# Altium PCB DM4K.pcbdoc (part 1 of 4) (continued)
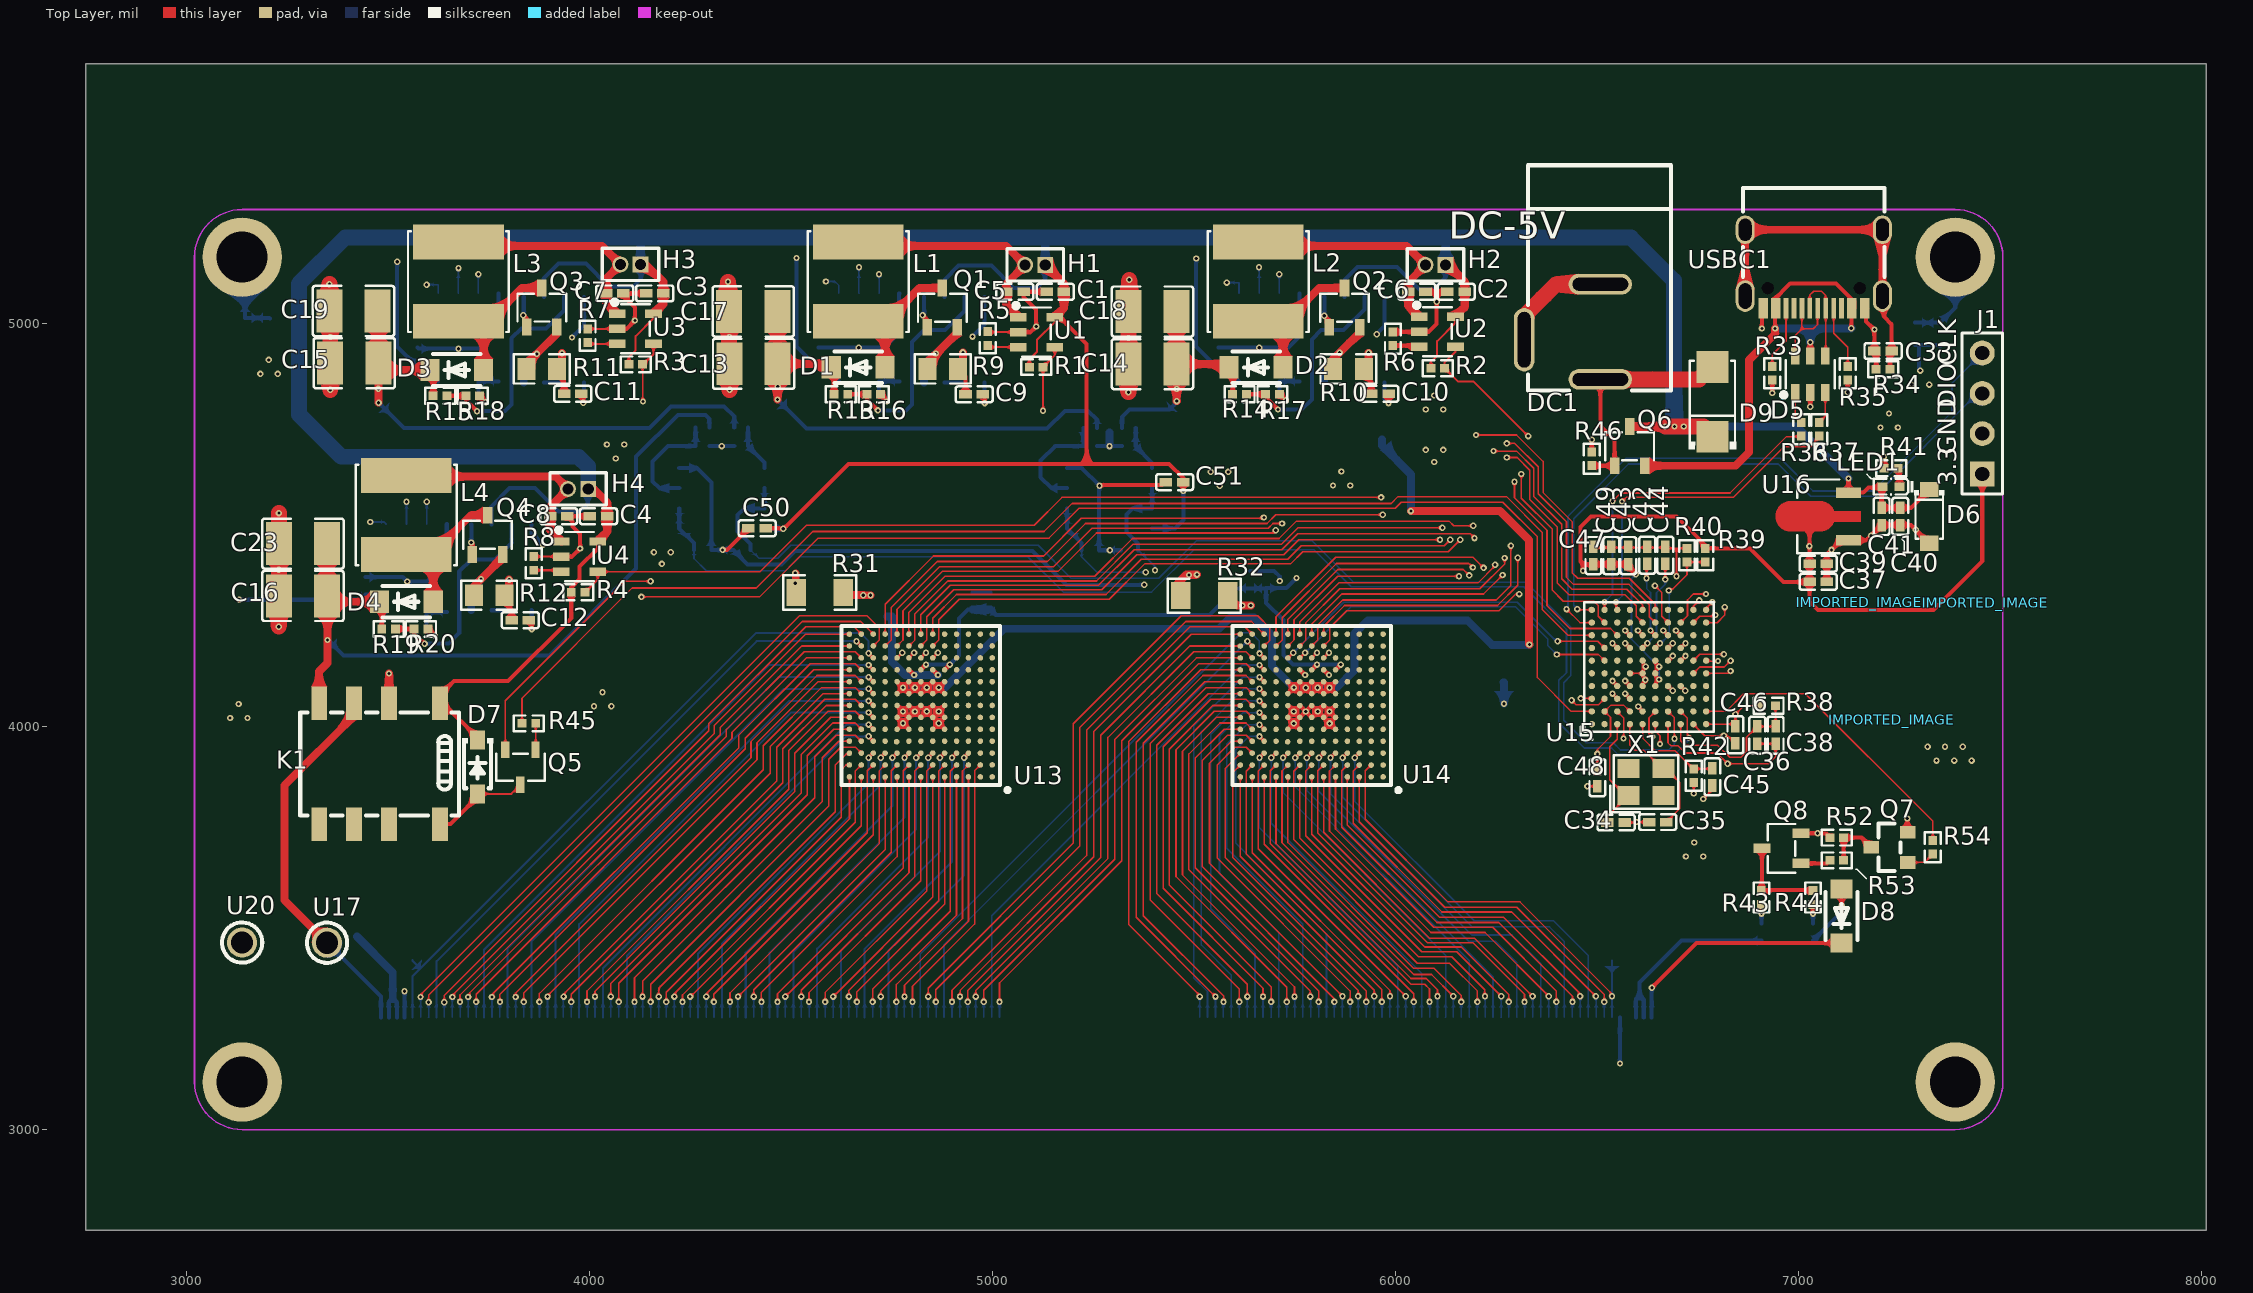
[diagram p0: Top Layer view]
## Footprints (in the part's own frame and the unit in brackets; to place one, negate y for a bottom-side part, rotate by r counter-clockwise, add the part's x,y. Pads: shape width x height; smd on the part's side, far side on the other; paste and mask are expansions set on the pad) (continued)
  rect 2.5x2 smd: 81(22.15,-2.875) 82(-22.15,-2.875)
  silkscreen extent -22.85,-4.13 22.85,3.59
HDR-M-2.54_1X4 [mil]
  rect 62x62 hole 35: 1(-150,0)
  round 62 hole 35 copper offset 0.01,0: 2(-49.99,0.01) 3(50.01,0.01) 4(150.01,0.01)
  silkscreen extent -200,-50 200,50
IMPORTED_IMAGE [mil]
IND-SMD_L6.0-W6.0 [mm]
  rect 2.2x5.72 smd: 1(-2.5,0) 2(2.5,0)
  silkscreen extent -3.18,-3.18 3.18,3.18
LED0402-RD_ORANGE [mm]
  rect 0.636x0.54 smd paste-100 mask+0.051: 1(-0.538,0) 2(0.538,0)
  silkscreen extent -1.39,-0.54 1.09,0.54
LED0402-RD_YELLOW [mm]
  rect 0.636x0.54 smd paste-100 mask+0.051: 1(-0.538,0) 2(0.538,0)
  silkscreen extent -1.39,-0.54 1.09,0.54
R0402 [mm]
  rect 0.566x0.54 smd paste-100 mask+0.051: 1(-0.433,0) 2(0.433,0)
  silkscreen extent -0.94,-0.5 0.94,0.5
R0603 [mil]
  rect 31.75x34.02 smd paste-3937.01 mask+2: 1(-29.66,0) 2(29.66,0)
  silkscreen extent -55,-26 55,26
R0805 [mil]
  rect 44.59x54.21 smd paste-3937.01 mask+2: 1(-38.04,0) 2(38.04,0)
  silkscreen extent -69,-36 69,36
r0805 [mil]
  rect 44.61x54.21 smd paste+0 mask+4: 1(-39.38,-0.01) 2(39.38,-0.01)
  silkscreen extent -69,-40 69,40
R1206 [mil]
  rect 47.54x66.97 smd paste-3937.01 mask+2: 1(-58.22,0) 2(58.22,0)
  silkscreen extent -91,-42 91,42
RELAY-SMD_G6K-2F-X-XX [mm]
  rect 1x2.1 smd paste+0 mask+0.051: 1(-3.8,-3.81) 2(-0.6,-3.81) 3(1.6,-3.81) 4(3.8,-3.81) 5(3.8,3.81) 6(1.6,3.81) 7(-0.6,3.81) 8(-3.8,3.81)
  silkscreen extent -5.02,-3.24 5,3.27
SMA_L4.3-W2.6-LS5.2-RD [mm]
  rect 2x2 smd: 1(-2.2,0) 2(2.2,0)
  silkscreen extent -2.98,-1.5 2.6,1.5
SO-8_L4.9-W3.9-P1.27-LS5.9-BL [mil]
  oval 22.6x74.33 smd paste+0 mask+2: 1(-75,-106.26) 2(-25,-106.26) 3(25,-106.26) 4(75,-106.26) 5(75,106.26) 6(25,106.26) 7(-25,106.26) 8(-75,106.26)
  silkscreen extent -116,-106 98,79
SOD-123_L2.7-W1.6-LS3.7-RD-1 [mm]
  rect 1.2x0.95 smd paste+0 mask+0.051: 1(-1.7,0) 2(1.7,0)
  silkscreen extent -1.81,-0.98 1.35,0.98
SOD-123_L2.8-W1.8-LS3.7-FD [mm]
  rect 1.2x1.4 smd paste+0 mask+0.051: 1(-1.7,0) 2(1.7,0)
  silkscreen extent -1.5,-1 1.5,1
SOD-123_L2.8-W1.8-LS3.7-RD [mm]
  rect 0.95x1.15 smd: 1(-1.692,0) 2(1.692,0)
  silkscreen extent -1.63,-0.94 1.41,0.94
SOIC-8_L4.9-W3.9-P1.27-LS6.0-BL [mm]
  oval 0.588x2.045 smd paste+0 mask+0.051: 1(-1.905,-2.772) 2(-0.635,-2.772) 3(0.635,-2.772) 4(1.905,-2.772) 5(1.905,2.772) 6(0.635,2.772) 7(-0.635,2.772) 8(-1.905,2.772)
  silkscreen extent -2.8,-2.92 2.53,1.52
SOP-8_L4.9-W3.9-P1.27-LS6.0-BL [mm]
  oval 0.63x1.865 smd: 1(-1.905,-2.683) 2(-0.635,-2.683) 3(0.635,-2.683) 4(1.905,-2.683) 5(1.905,2.682) 6(0.635,2.682) 7(-0.635,2.682) 8(-1.905,2.682)
  silkscreen extent -2.82,-2.83 2.58,1.52
SOT-23-3_L2.9-W1.6-P1.90-LS2.8-BR#1 [mm]
  rect 1.07x0.6 smd paste+0 mask+0.051: 1(1.235,-0.95) 2(1.235,0.95) 3(-1.235,0)
  silkscreen extent -0.88,-1.54 0.88,1.54
SOT-23-3_L2.9-W1.6-P1.90-LS2.8-BR#2 [mm]
  rect 1.07x0.6 smd: 1(1.235,-0.95) 2(1.235,0.95) 3(-1.235,0)
  silkscreen extent -0.88,-1.54 0.88,1.54
SOT-23-3_L3.0-W1.7-P0.95-LS2.9-BR [mil]
  rect 40.85x20.95 smd paste+0 mask+2: 1(43.36,-37.4) 2(43.36,37.4) 3(-43.36,0)
  silkscreen extent -34,-60 34,60
SOT-23-5_L3.0-W1.5-P0.95-LS2.8-BL [mm]
  rect 0.532x1.045 smd paste+0 mask+0.051: 1(-0.95,-1.148) 2(0,-1.148) 3(0.95,-1.148) 4(0.95,1.148) 5(-0.95,1.148)
  silkscreen extent -1.82,-1.45 1.55,0.9
SOT-23-6_L2.9-W1.6-P0.95-LS2.8-BL [mil]
  rect 20.95x42.2 smd: 1(-37.4,-45.24) 2(0,-45.24) 3(37.4,-45.24) 4(37.4,45.24) 5(0,45.24) 6(-37.4,45.24)
  silkscreen extent -72,-57 61,35
SOT-23_L2.9-W1.3-P1.90-LS2.4-BR [mm]
  rect 1x0.8 smd paste+0 mask+0.051: 1(1.15,-0.95) 2(1.15,0.95) 3(-1.15,0)
  silkscreen extent -0.7,-1.5 0.7,1.5
SOT-89_L4.5-W2.5-P1.50-LS4.2-BR [mm]
  rect 1.575x0.672 smd: 1(1.356,-1.5) 3(1.356,1.5)
  Top Layer region: -2.283,0.959 -0.429,0.959 -0.385,0.958 -0.34,0.955 -0.296,0.949 -0.252,0.942 -0.208,0.933 -0.165,0.921 -0.123,0.908 -0.081,0.893 -0.04,0.875 0,0.856 0.04,0.835 0.078,0.812 0.115,0.788 0.151,0.761 0.185,0.733 0.219,0.704 0.251,0.673 0.281,0.64 0.31,0.606 0.337,0.571 0.362,0.534 0.386,0.497 0.408,0.458 0.428,0.418 0.447,0.339 2.144,0.339 2.144,-0.321 0.447,-0.321 0.428,-0.401 0.408,-0.44 0.386,-0.479 0.362,-0.517 0.337,-0.553 0.31,-0.588 0.281,-0.622 0.251,-0.655 0.219,-0.686 0.185,-0.716 0.151,-0.744 0.115,-0.77 0.078,-0.795 0.04,-0.818 0,-0.839 -0.04,-0.858 -0.081,-0.875 -0.123,-0.89 -0.165,-0.904 -0.208,-0.915 -0.252,-0.925 -0.296,-0.932 -0.34,-0.937 -0.385,-0.94 -0.429,-0.941 -2.283,-0.941 -2.328,-0.94 -2.372,-0.937 -2.416,-0.932 -2.46,-0.925 -2.504,-0.915 -2.547,-0.904 -2.589,-0.89 -2.631,-0.875 -2.672,-0.858 -2.713,-0.839 -2.752,-0.818 -2.79,-0.795 -2.827,-0.77 -2.863,-0.744 -2.898,-0.716 -2.931,-0.686 -2.963,-0.655 -2.993,-0.622 -3.022,-0.588 -3.049,-0.553 -3.075,-0.517 -3.098,-0.479 -3.12,-0.44 -3.141,-0.401 -3.159,-0.36 -3.175,-0.318 -3.189,-0.276 -3.202,-0.233 -3.212,-0.19 -3.22,-0.146 -3.227,-0.102 -3.231,-0.058 -3.233,-0.013 -3.233,0.031 -3.231,0.076 -3.227,0.12 -3.22,0.164 -3.212,0.208 -3.202,0.251 -3.189,0.294 -3.175,0.336 -3.159,0.377 -3.141,0.418 -3.12,0.458 -3.098,0.497 -3.075,0.534 -3.049,0.571 -3.022,0.606 -2.993,0.64 -2.963,0.673 -2.931,0.704 -2.898,0.733 -2.863,0.761 -2.827,0.788 -2.79,0.812 -2.752,0.835 -2.713,0.856 -2.672,0.875 -2.631,0.893 -2.589,0.908 -2.547,0.921 -2.504,0.933 -2.46,0.942 -2.416,0.949 -2.372,0.955 -2.328,0.958
  silkscreen extent -1.87,-2.33 0.78,2.33
TEST-TH_BD2.54-P1.39 [mm]
  round 1.9 hole 1.39 paste+0 mask+0.051: 1(0,0)
  silkscreen extent -1.27,-1.27 1.27,1.27
TFBGA-100_L8.0-W8.0-P0.80-R10-C10-TL-ST_DS [mm]
  round 0.4 smd paste+0 mask+0.04: A1(-3.6,3.6) A2(-2.8,3.6) A3(-2,3.6) A4(-1.2,3.6) A5(-0.4,3.6) A6(0.4,3.6) A7(1.2,3.6) A8(2,3.6) A9(2.8,3.6) A10(3.6,3.6) B1(-3.6,2.8) B2(-2.8,2.8) B3(-2,2.8) B4(-1.2,2.8) B5(-0.4,2.8) B6(0.4,2.8) B7(1.2,2.8) B8(2,2.8) B9(2.8,2.8) B10(3.6,2.8) C1(-3.6,2) C2(-2.8,2) C3(-2,2) C4(-1.2,2) C5(-0.4,2) C6(0.4,2) C7(1.2,2) C8(2,2) C9(2.8,2) C10(3.6,2) D1(-3.6,1.2) D2(-2.8,1.2) D3(-2,1.2) D4(-1.2,1.2) D5(-0.4,1.2) D6(0.4,1.2) D7(1.2,1.2) D8(2,1.2) D9(2.8,1.2) D10(3.6,1.2) E1(-3.6,0.4) E2(-2.8,0.4) E3(-2,0.4) E4(-1.2,0.4) E5(-0.4,0.4) E6(0.4,0.4) E7(1.2,0.4) E8(2,0.4) E9(2.8,0.4) E10(3.6,0.4) F1(-3.6,-0.4) F2(-2.8,-0.4) F3(-2,-0.4) F4(-1.2,-0.4) F5(-0.4,-0.4) F6(0.4,-0.4) F7(1.2,-0.4) F8(2,-0.4) F9(2.8,-0.4) F10(3.6,-0.4) G1(-3.6,-1.2) G2(-2.8,-1.2) G3(-2,-1.2) G4(-1.2,-1.2) G5(-0.4,-1.2) G6(0.4,-1.2) G7(1.2,-1.2) G8(2,-1.2) G9(2.8,-1.2) G10(3.6,-1.2) H1(-3.6,-2) H2(-2.8,-2) H3(-2,-2) H4(-1.2,-2) H5(-0.4,-2) H6(0.4,-2) H7(1.2,-2) H8(2,-2) H9(2.8,-2) H10(3.6,-2) J1(-3.6,-2.8) J2(-2.8,-2.8) J3(-2,-2.8) J4(-1.2,-2.8) J5(-0.4,-2.8) J6(0.4,-2.8) J7(1.2,-2.8) J8(2,-2.8) J9(2.8,-2.8) J10(3.6,-2.8) K1(-3.6,-3.6) K2(-2.8,-3.6) K3(-2,-3.6) K4(-1.2,-3.6) K5(-0.4,-3.6) K6(0.4,-3.6) K7(1.2,-3.6) K8(2,-3.6) K9(2.8,-3.6) K10(3.6,-3.6)
  silkscreen extent -4.63,-4.08 4.08,4.3
"TFBGA-196 10*10*1.1" [mm]
  round 0.35 smd paste+0 mask+0.102: A1(-4.5,4.5) A2(-3.75,4.5) A3(-3,4.5) A4(-2.25,4.5) A5(-1.5,4.5) A6(-0.75,4.5) A7(0,4.5) A8(0.75,4.5) A9(1.5,4.5) A10(2.25,4.5) A11(3,4.5) A12(3.75,4.5) A13(4.5,4.5) B1(-4.5,3.75) B2(-3.75,3.75) B3(-3,3.75) B4(-2.25,3.75) B5(-1.5,3.75) B6(-0.75,3.75) B7(0,3.75) B8(0.75,3.75) B9(1.5,3.75) B10(2.25,3.75) B11(3,3.75) B12(3.75,3.75) B13(4.5,3.75) C1(-4.5,3) C2(-3.75,3) C3(-3,3) C4(-2.25,3) C5(-1.5,3) C6(-0.75,3) C7(0,3) C8(0.75,3) C9(1.5,3) C10(2.25,3) C11(3,3) C12(3.75,3) C13(4.5,3) D1(-4.5,2.25) D2(-3.75,2.25) D3(-3,2.25) D4(-2.25,2.25) D5(-1.5,2.25) D6(-0.75,2.25) D7(0,2.25) D8(0.75,2.25) D9(1.524,2.286) D10(2.25,2.25) D11(3,2.25) D12(3.75,2.25) D13(4.5,2.25) E1(-4.5,1.5) E2(-3.75,1.5) E3(-3,1.5) E4(-2.25,1.5) E5(-1.5,1.5) E6(-0.75,1.5) E7(0,1.5) E8(0.75,1.5) E9(1.5,1.5) E10(2.25,1.5) E11(3,1.5) E12(3.75,1.5) E13(4.5,1.5) F1(-4.5,0.75) F2(-3.75,0.75) F3(-3,0.75) F4(-2.25,0.75) F5(-1.5,0.75) F6(-0.75,0.75) F7(0,0.75) F8(0.75,0.75) F9(1.5,0.75) F10(2.25,0.75) F11(3,0.75) F12(3.75,0.75) F13(4.5,0.75) G1(-4.5,0) G2(-3.75,0) G3(-3,0) G4(-2.25,0) G5(-1.5,0) G6(-0.75,0) G7(0,0) G8(0.75,0) G9(1.5,0) G10(2.25,0) G11(3,0) G12(3.75,0) G13(4.5,0) H1(-4.5,-0.75) H2(-3.75,-0.75) H3(-3,-0.75) H4(-2.25,-0.75) H5(-1.5,-0.75) H6(-0.75,-0.75) H7(0,-0.75) H8(0.75,-0.75) H9(1.5,-0.75) H10(2.25,-0.75) H11(3,-0.75) H12(3.75,-0.75) H13(4.5,-0.75) J1(-4.5,-1.5) J2(-3.75,-1.5) J3(-3,-1.5) J4(-2.25,-1.5) J5(-1.5,-1.5) J6(-0.75,-1.5) J7(0,-1.5) J8(0.75,-1.5) J9(1.5,-1.5) J10(2.25,-1.5) J11(3,-1.5) J12(3.75,-1.5) J13(4.5,-1.5) K1(-4.5,-2.25) K2(-3.75,-2.25) K3(-3,-2.25) K4(-2.25,-2.25) K5(-1.5,-2.25) K6(-0.75,-2.25) K7(0,-2.25) K8(0.75,-2.25) K9(1.5,-2.25) K10(2.25,-2.25) K11(3,-2.25) K12(3.75,-2.25) K13(4.5,-2.25) L1(-4.5,-3) L2(-3.75,-3) L3(-3,-3) L4(-2.25,-3) L5(-1.5,-3) L6(-0.75,-3) L7(0,-3) L8(0.75,-3) L9(1.5,-3) L10(2.25,-3) L11(3,-3) L12(3.75,-3) L13(4.5,-3) M1(-4.5,-3.75) M2(-3.75,-3.75) M3(-3,-3.75) M4(-2.25,-3.75) M5(-1.5,-3.75) M6(-0.75,-3.75) M7(0,-3.75) M8(0.75,-3.75) M9(1.5,-3.75) M10(2.25,-3.75) M11(3,-3.75) M12(3.75,-3.75) M13(4.5,-3.75) N1(-4.5,-4.5) N2(-3.75,-4.5) N3(-3,-4.5) N4(-2.25,-4.5) N5(-1.5,-4.5) N6(-0.75,-4.5) N7(0,-4.5) N8(0.75,-4.5) N9(1.5,-4.5) N10(2.25,-4.5) N11(3,-4.5) N12(3.75,-4.5) N13(4.5,-4.5)
  silkscreen extent -5.59,-5 5,5.46
USB-C_SMD-TYPE-C-31-M-12 [mm]
  oval 1.2x2 hole 0.8 slot 1.6 at 90 deg: 0(-4.325,1.706) 1(4.325,1.706)
  oval 1.2x1.8 hole 0.8 slot 1.4 at 90 deg: 2(4.325,-2.474) 3(-4.325,-2.474)
  rect 0.3x1.3 smd paste-100 mask+0.051: A1(-3.35,2.474) A4(-2.55,2.474) A5(-1.25,2.474) A6(-0.25,2.474) A7(0.25,2.474) A8(1.25,2.474) A9(2.55,2.474) A12(3.35,2.474) B1(3.05,2.474) B4(2.25,2.474) B5(1.75,2.474) B6(0.75,2.474) B7(-0.75,2.474) B8(-1.75,2.474) B9(-2.25,2.474) B12(-3.05,2.474)
  Multi-Layer board cut-out: -3.275,1.206 -3.238,1.043 -3.134,0.913 -2.983,0.84 -2.817,0.84 -2.666,0.913 -2.562,1.043 -2.525,1.206 -2.525,1.206 -2.562,1.368 -2.666,1.499 -2.817,1.571 -2.983,1.571 -3.134,1.499 -3.238,1.368 -3.275,1.206
  Multi-Layer board cut-out: 2.525,1.206 2.562,1.043 2.666,0.913 2.816,0.84 2.983,0.84 3.134,0.913 3.238,1.043 3.275,1.206 3.275,1.206 3.238,1.368 3.134,1.499 2.983,1.571 2.816,1.571 2.666,1.499 2.562,1.368 2.525,1.206
  silkscreen extent -4.47,-5.09 4.47,0.49
测试点 [mm]
  round 1.2 smd paste+0: 1(0,0)

## Free pads (board coordinates)
  round 196.85 hole 125.98: 83(3137.8,3118.11) 83(3137.8,5165.35) 83(7389.76,3118.11) 83(7389.76,5165.35)

## Via types
v1: diameter 15.75, hole 7.87, Top Layer to Bottom Layer, 258 vias
v2: diameter 15.75, hole 7.91, Top Layer to Bottom Layer, 165 vias

## Nets (pads, with @x,y where several pads share a name; then routed paths per layer and width w, separated by ;. In a path a pad name is that pad's centre, name@x,y a point inside that pad or via, vN(x,y) a via of type N, cw(c..) or ccw(c..) an arc to the next point about the centre after c; other vN are vias at no path point)
1CLK: U13.M8 U15.K5 | length 2688.4
  Top Layer w4.02: U13.M8@4792.8,4200.23 4807.6,4214.93 4807.6,4279.93 4889.3,4361.63 5258.32,4361.63 5349.82,4453.13 5718,4453.13 5758.4,4493.53 v1(6116.67,4493.5) ; U15.K5@6771.2,4132.28 6826.31,4132.28 v1(6832.22,4138.19)
  Inner1 w4.02: v1(6116.67,4493.5) 6163.9,4540.73 6735.7,4540.73 6905.1,4371.33 6905.1,4211.03 v1(6832.22,4138.19)
1D1A: U13.M10 U15.D4 | length 2214.7
  Top Layer w4.02: U13.M10@4733.8,4200.2 4748.61,4214.93 4748.61,4295.63 4862.8,4409.83 5136.52,4409.83 5231.02,4504.33 5681.71,4504.33 5703.37,4526 v1(5968.69,4526) ; v1(6570.41,4113.58) 6570.41,4112.61 U15.D4@6582.23,4100.79
  Inner1 w4.02: v1(5968.69,4526) 5974.38,4526 5991.69,4508.7 5991.69,4496 6345.55,4142.13 6541.9,4142.13 v1(6570.41,4113.58)
1D2A: U13.N10 U15.C4 | length 2153.9
  Top Layer w4.02: U13.N10@4733.8,4229.73 4733.8,4303.53 4853.9,4423.63 5127.32,4423.63 5220.82,4517.13 5671.8,4517.13 v1(5673.76,4519.09) ; v1(6538.91,4113.58) 6538.91,4112.61 U15.C4@6550.73,4100.79
  Inner1 w4.02: v1(5673.76,4519.09) 5950.34,4519.09 6340.1,4129.33 6523.16,4129.33 v1(6538.91,4113.58)
1D3A: U13.L9 U15.A3 | length 2037.6
  Top Layer w4.02: U13.L9@4763.32,4170.67 v1(4776.11,4183.46) ; v1(6460.17,4070.27) 6487.74,4070.27 U15.A3@6487.74,4069.29
  Inner1 w4.02: v1@4776.1,4183.43 5063.67,4471 5942.34,4471 6363.7,4049.63 6447.61,4049.63 6460.2,4062.23 v1@6460.2,4070.23
1D4A: U13.M9 U15.B3 | length 2103.1
  Top Layer w4.02: U13.M9@4763.32,4200.2 4778.1,4214.93 4778.1,4287.83 4875.5,4385.23 5162.92,4385.23 5258.42,4480.73 5696.4,4480.73 v1(5703.28,4487.6) ; v1(6437.53,4065.35) 6448.36,4054.53 6504.47,4054.53 U15.B3@6519.23,4069.29
  Inner1 w4.02: v1(5703.28,4487.6) 5944.4,4487.63 6366.7,4065.33 v1@6437.5,4065.33
1D5A: U13.N9 U15.C3 | length 2118.2
  Top Layer w4.02: U13.N9@4763.32,4229.73 4763.3,4291.73 4868.6,4397.03 5151.72,4397.03 5247.22,4492.53 5684.6,4492.53 5696.4,4504.33 v1(5719.03,4504.33) ; v1(6538.91,4082.09) 6538.91,4081.11 U15.C3@6550.73,4069.29
  Inner1 w4.02: v1(5719.03,4504.33) 5946.4,4504.33 6340.1,4110.63 6510.38,4110.63 v1(6538.91,4082.09)
1D6A: U13.L8 U15.D3 | length 2108
  Top Layer w4.02: U13.L8@4792.85,4170.67 v1(4805.65,4183.47) v1@4805.65,4184.45 ; v1(6570.41,4082.09) 6570.41,4081.11 U15.D3@6582.23,4069.29
  Inner1 w4.02: v1@4805.6,4183.43 4805.6,4185.53 5076.27,4456 5939.64,4456 6358.8,4036.83 6455.3,4036.83 6484.8,4066.33 6554.6,4066.33 v1(6570.41,4082.09)
1DIR: U13.M7 U15.J5 | length 2639.2
  Top Layer w4.02: U13.M7@4822.38,4200.2 4837.1,4214.93 4837.1,4273.03 4904.1,4339.93 5271.56,4339.93 5358.26,4426.53 5723,4426.53 5760.4,4463.93 v1@6110.8,4463.93 ; U15.J5@6739.7,4132.23 6755.51,4148.03 6816.48,4148.03 v1(6832.22,4163.78)
  Inner1 w4.02: v1(6110.76,4463.97) 6174.74,4527.95 6732.79,4527.95 6890.3,4370.44 6890.3,4221.85 v1(6832.22,4163.78)
1LE: U13.N8 U15.H6 | length 2587.9
  Top Layer w4.02: U13.N8@4792.8,4229.73 4792.8,4283.73 4882.5,4373.43 5254.12,4373.43 5347.69,4467 5711.27,4467 5754.5,4510.23 6133.06,4510.23 6144.88,4498.42 v1(6193.44,4498.42) ; U15.H6@6708.21,4163.78 v1(6720.01,4175.59)
  Inner1 w4.02: v1(6193.44,4498.42) 6203.28,4498.42 6206.19,4501.33 6729.9,4501.33 6862.7,4368.53 6862.7,4249.43 6788.9,4175.63 v1(6720.01,4175.59)
1OE: U13.M6 U15.H7 | length 2460.9
  Top Layer w4.02: U13.M6@4851.91,4200.2 4866.7,4214.93 4866.7,4265.13 4917.9,4316.33 5290.02,4316.33 5377.62,4403.93 5739.7,4403.93 5770.2,4434.43 6131.4,4434.43 v1@6161,4463.93 ; U15.H7@6708.21,4195.27 v1(6720.01,4207.09)
  Inner1 w4.02: v1@6161,4463.93 6180.6,4483.63 6731.8,4483.63 6848,4367.53 6848,4267.13 6788,4207.13 v1(6720.01,4207.09)
  other v1: 6160.96,4463.97
1OH: U13.N7 U15.G7 | length 2472.7
  Top Layer w4.02: U13.N7@4822.38,4229.73 4822.4,4277.93 4895.3,4350.83 5263.52,4350.83 5352.02,4439.33 5718.1,4439.33 5757.5,4478.73 6186.5,4478.73 v1(6196.39,4467.91) ; U15.G7@6676.71,4195.27 v1(6688.52,4207.09)
  Inner1 w4.02: v1(6196.39,4467.91) 6213.1,4467.93 6216,4470.83 6723,4470.83 6834.2,4359.63 6834.2,4271.03 6785,4221.83 6703.2,4221.83 v1(6688.52,4207.09)
1OL: U13.L6 U15.K6 | length 2452
  Top Layer w4.02: U13.L6@4851.91,4170.67 v1(4864.7,4183.46) ; U15.K6@6771.2,4163.78 6771.2,4162.79 v1(6800.72,4162.79)
  Inner2 w4.02: v1@4864.7,4183.43 5003.27,4322 5559.69,4322 5570.69,4333 5922.76,4333 6037,4447.23 6201.92,4447.23 6276.72,4522.03 6677.7,4522.03 6848.9,4350.83 6848.9,4247.43 6800.72,4199.25 v1(6800.72,4162.79)
1POL: U13.N6 U15.J6 | length 2523.8
  Top Layer w4.02: U13.N6@4851.91,4229.73 4851.9,4269.13 4910.9,4328.13 5281.82,4328.13 5369.42,4415.73 5732.8,4415.73 5766.3,4449.23 6121.6,4449.23 v1@6136.4,4463.93 ; U15.J6@6739.71,4163.78 6755.46,4179.53 v1(6815.49,4179.53)
  Inner1 w4.02: v1@6136.4,4463.93 6187.6,4515.13 6730.9,4515.13 6876.5,4369.53 6876.5,4240.53 v1(6815.49,4179.53)
  other v1: 6136.35,4463.97
1RST: U13.L7 U15.G6 | length 2521.9
  Top Layer w4.02: U13.L7@4822.38,4170.67 v1(4835.18,4183.46) ; U15.G6@6676.71,4163.78 v1(6688.52,4175.59)
  Inner2 w4.02: v1@4835.2,4183.43 4838.1,4183.43 4853.8,4167.73 4872.6,4167.73 5012.87,4308 5562.69,4308 5573.69,4319 5925.47,4319 6042.9,4436.43 6207.12,4436.43 6282.92,4512.23 6668.8,4512.23 6835.2,4345.83 6835.2,4257.33 6768.2,4190.33 6703.3,4190.33 v1(6688.52,4175.59)
2CLK: U14.M8 U15.J9 | length 1349.1
  Top Layer w4.02: U14.M8@5762.9,4200.03 5778.1,4215.23 5778.1,4258.33 5861.8,4341.93 6209.2,4341.93 6271.2,4403.93 v1(6271.2,4418.7) ; U15.J9@6739.7,4258.23 6755.51,4274.03 6790.89,4274.03 v1(6793.83,4276.97)
  Inner1 w4.02: v1(6271.2,4418.7) 6279.42,4418.73 6303.69,4443 6487.69,4443 6503.15,4427.53 6721,4427.53 6802.7,4345.83 6802.7,4285.83 v1@6793.8,4276.93
2D1A: U14.M10 U15.D8 | length 1069.1
  Top Layer w4.02: U14.M10@5703.9,4200.03 5719,4215.23 5719,4270.03 5853.9,4404.93 6182.6,4404.93 v1@6192.5,4395.03 ; v1(6570.41,4238.58) U15.D8@6582.23,4226.77
  Inner1 w4.02: v1@6192.5,4395.03 6337.1,4250.43 6558.6,4250.43 v1(6570.41,4238.58)
  other v1: 6192.46,4395.08
2D2A: U14.N10 U15.E8 | length 1094.5
  Top Layer w4.02: U14.N10@5703.9,4229.53 5703.9,4272.63 5851.9,4420.63 6192.5,4420.63 v1(6219.03,4394.09) ; v1(6601.9,4238.58) U15.E8@6613.72,4226.77
  Inner1 w4.02: v1(6219.03,4394.09) 6350.9,4262.23 6578.3,4262.23 v1(6601.9,4238.58)
2D3A: U14.L9 U15.B7 | length 890.2
  Top Layer w4.02: U14.L9@5733.41,4170.52 5746.36,4183.46 v1(5746.59,4183.46) ; v1(6402.69,4212) 6502.5,4212 U15.B7@6519.23,4195.27
  Bottom Layer w4.02: v1@5746.6,4183.43 5872.17,4309 6302.69,4309 6399.67,4212.02 v1(6402.69,4212)
2D4A: U14.M9 U15.C7 | length 992.2
  Top Layer w4.02: U14.M9@5733.4,4200.03 5748.6,4215.23 5748.6,4265.23 5856.8,4373.43 v1(6158.01,4373.42) ; v1(6538.91,4207.08) U15.C7@6550.73,4195.27
  Inner1 w4.02: v1(6158.01,4373.42) 6162.9,4373.43 6307.6,4228.73 6517.2,4228.73 v1@6538.9,4207.03
2D5A: U14.N9 U15.D7 | length 1017.8
  Top Layer w4.02: U14.N9@5733.4,4229.53 5733.4,4266.73 5856.8,4390.13 6168.8,4390.13 v1(6183.6,4375.39) ; v1(6570.41,4207.09) U15.D7@6582.23,4195.27
  Inner1 w4.02: v1(6183.6,4375.39) 6319.4,4239.53 6537.9,4239.53 v1(6570.41,4207.09)
2D6A: U14.L8 U15.B6 | length 875.5
  Top Layer w4.02: U14.L8@5762.94,4170.52 5763.18,4170.52 v1(5776.12,4183.46) v1@5775.14,4184.45 ; v1(6400.69,4179) 6504.02,4179 U15.B6@6519.23,4163.78
  Bottom Layer w4.02: v1@5776.1,4183.43 5890.67,4298 6297.69,4298 6378.69,4217 6378.69,4201.03 ; 6378.69,4201 v1(6400.69,4179)
2DIR: U14.M7 U15.K9 | length 1384.9
  Top Layer w4.02: U14.M7@5792.5,4200.03 5807.6,4215.23 5807.6,4252.43 5869.61,4314.33 6250.51,4314.33 6286.69,4350.51 v1(6286.69,4449) ; U15.K9@6771.2,4258.23 6798.7,4258.23 6817.4,4276.93 v1@6817.4,4296.63
  Inner1 w4.02: v1(6286.69,4449) 6296.72,4459.03 6710.2,4459.03 6817.4,4351.83 v1@6817.4,4296.63
  other v1: 6817.45,4296.65
2LE: U14.N8 U15.G9 | length 1130.8
  Top Layer w4.02: U14.N8@5762.9,4229.53 5762.9,4259.83 5859.81,4356.73 6205.3,4356.73 6247.57,4399 v1(6247.57,4401.97) ; v1(6644.23,4349.8) 6660.96,4333.07 6660.96,4274.02 U15.G9@6676.71,4258.27
  Inner1 w4.02: v1@6247.6,4401.93 6289.4,4401.93 6293.3,4398.03 6320.49,4398.03 6342.45,4420 6475.69,4420 6497.65,4398.03 6619.6,4398.03 6644.2,4373.43 v1(6644.23,4349.8)
2OE: U14.M6 U15.G8 | length 968.2
  Top Layer w4.02: U14.M6@5822,4200.03 5837.11,4215.23 5837.11,4245.43 5879.5,4287.83 6257.4,4287.83 6298.57,4329 v1(6307.69,4329) ; v1(6664.9,4238.58) U15.G8@6676.71,4226.77
  Inner1 w4.02: v1(6307.69,4329) 6308.74,4329 6363.7,4274.03 6629.5,4274.03 v1(6664.9,4238.58)
2OH: U14.N7 U15.H8 | length 1053.4
  Top Layer w4.02: U14.N7@5792.5,4229.53 5792.5,4254.93 5866.71,4329.13 6219.02,4329.13 v1(6266.27,4376.38) ; v1(6696.39,4238.58) U15.H8@6708.21,4226.77
  Inner1 w4.02: v1(6266.27,4376.38) 6290.8,4376.43 6340.1,4327.13 6607.9,4327.13 v1(6696.39,4238.58)
2OL: U14.L6 U15.J10 | length 1210.4
  Top Layer w4.02: U14.L6@5822,4170.52 5834.95,4183.46 v1(5835.17,4183.46) ; U15.J10@6739.71,4289.76 6739.71,4298.64 v1(6754.46,4313.38)
  Inner2 w4.02: v1@5835.2,4183.43 6063.6,4411.83 6215.52,4411.83 6292.32,4488.63 6651.1,4488.63 6751.5,4388.23 6751.5,4313.43 v1(6754.46,4313.38)
2POL: U14.N6 U15.K10 | length 1197.9
  Top Layer w4.02: U14.N6@5822,4229.53 5822,4249.03 5873.61,4300.63 6253.5,4300.63 6303.7,4350.83 v1(6303.69,4419) ; U15.K10@6771.2,4289.76 6771.2,4293.71 v1(6786.94,4309.45)
  Inner1 w4.02: v1(6303.69,4419) 6315.69,4431 6482.69,4431 6498.95,4414.73 6711.2,4414.73 6789.9,4336.03 6789.9,4309.43 v1@6786.91,4309.43
2RST: U14.L7 U15.H9 | length 1336.7
  Top Layer w4.02: U14.L7@5792.47,4170.52 5792.7,4170.52 v1(5805.64,4183.46) ; U15.H9@6708.2,4258.23 6725.1,4275.13 6725.1,4314.53 6739.7,4329.13 v1(6771.19,4329.13)
  Inner2 w4.02: v1@5805.6,4183.43 6046.8,4424.63 6210.32,4424.63 6287.02,4501.33 6658,4501.33 6770.2,4389.13 v1(6771.19,4329.13)
3.3V: C20.1 C21.1 C22.1 C24.1 C37.2 C39.2 C43.2 C46.2 C47.2 C48.2 C49.2 J1.1 R38.1 R39.1 R42.2 U9.8 U10.8 U11.8 U12.8 U15.B2 U15.D2 U15.F4 U15.F5 U15.F6 U15.K1 | length 10398.8
  Top Layer w4.02: C48.2@6501.52,3894.88 v1@6501.5,3932.43 ; v1(6501.51,3932.48) 6501.51,3943.31 6533.99,3975.79 6533.99,4023.03 U15.B2@6519.23,4037.79 ; U15.B2@6519.23,4037.79 6535,4053.53 6566.5,4053.53 U15.D2@6582.23,4037.79 ; U15.F4@6645.22,4100.79 U15.F5@6645.22,4132.28 6645.22,4140.17 ; U15.F6@6645.22,4163.78 U15.F6@6645.22,4158.4 ; U15.F6@6645.22,4163.78 U15.F6@6645.2,4158.42 ; v1@6740.7,3834.03 R42.2@6740.68,3861.31 ; U15.K1@6771.2,4006.3 6838.9,4006.33 C46.2@6844.03,4001.18 v1(6844.03,4030.9) ; v1(6844.03,4030.9) 6865.13,4052 R38.1@6909.2,4052 ; 6645.22,4140.17 6645.86,4140.17 v1(6654.69,4149) U15.F6@6645.22,4158.4 ; 6645.22,4140.17 U15.F6@6645.22,4158.4
  Top Layer w10: v1(6465.69,4387) 6465.72,4403.13 6467.11,4403.13 ; v1(6596.98,4378.34) 6578.3,4397.03 C43.2@6578.28,4403.15 6536.12,4403.13 6501.5,4403.13 C47.2@6491.7,4393.33 ; 7017.57,4522.13 7028.03,4511.67 C39.2@7028.03,4404.59 C37.2@7028.03,4359.31 ; J1.1@7456.69,4627.22 7456.69,4411 7335.69,4290 7048.69,4290 7028.03,4310.66 C37.2@7028.03,4359.31 ; 6467.11,4403.13 6480.44,4403.13 ; 6467.11,4403.13 6459.2,4411.04 6459.2,4495.46 6485.77,4522.03 6697.4,4522.03 6769.2,4450.23 R39.1@6769.23,4442.64 6880.05,4442.63 6963.69,4359 7027.72,4359 C37.2@7028.03,4359.31 ; 6480.44,4403.13 C47.2@6481.9,4403.13 ; 6480.44,4403.13 6481.17,4403.87 C47.2@6481.9,4403.13 ; C47.2@6481.9,4403.13 6491.7,4403.13 C47.2@6491.7,4393.33 ; C47.2@6481.9,4403.13 C47.2@6491.7,4393.33
  Inner2 w19.68: v2(3130.69,4315) 3130.69,4947 3337.69,5154 v2(3522.69,5154) 3583.69,5215 4415.69,5215 4467.69,5163 v2(4513.69,5163) 4562.69,5212 5455.69,5212 v2(5505.69,5162) 5592.69,5162 5641.69,5211 6600.69,5211 6773.69,5038 6773.69,4702 v2(7027.69,4448) 7027.69,4214.55 v1(6844.03,4030.9) 6844.03,3969.35 6813.61,3938.92 6749.69,3938.92 ; v1(6501.51,3932.48) 6743.24,3932.48 6749.69,3938.92 ; v1(6740.68,3834.05) 6749.69,3843.05 6749.69,3938.92
  Bottom Layer w4.02: v1(6596.98,4378.34) 6586.16,4367.52 6586.16,4216.93 6654.09,4149 v1(6654.69,4149) v2(6654.69,4117)
  Bottom Layer w10: v2(3130.69,4315) 3431.33,4315 C24.1@3444.55,4328.22 3451.88,4328.23 U12.8@3495.87,4284.24 ; v2(3522.69,5154) 3522.69,4943.29 3568.26,4897.71 C22.1@3573.06,4897.71 3583.46,4897.71 U11.8@3624.2,4856.97 ; v2(4513.69,5163) 4513.69,4943.24 4559.51,4897.42 C20.1@4564.31,4897.42 ; C20.1@4567.76,4897.71 4578.3,4897.71 U9.8@4619.05,4856.97 ; v2(5505.69,5162) 5505.69,4943.24 5551.51,4897.42 C21.1@5556.31,4897.42 ; C21.1@5561.09,4897.71 5571.21,4897.71 U10.8@5611.95,4856.97